# Altium PCB BeagleBone_Black_RevB4.PcbDoc (part 1 of 5) (continued)
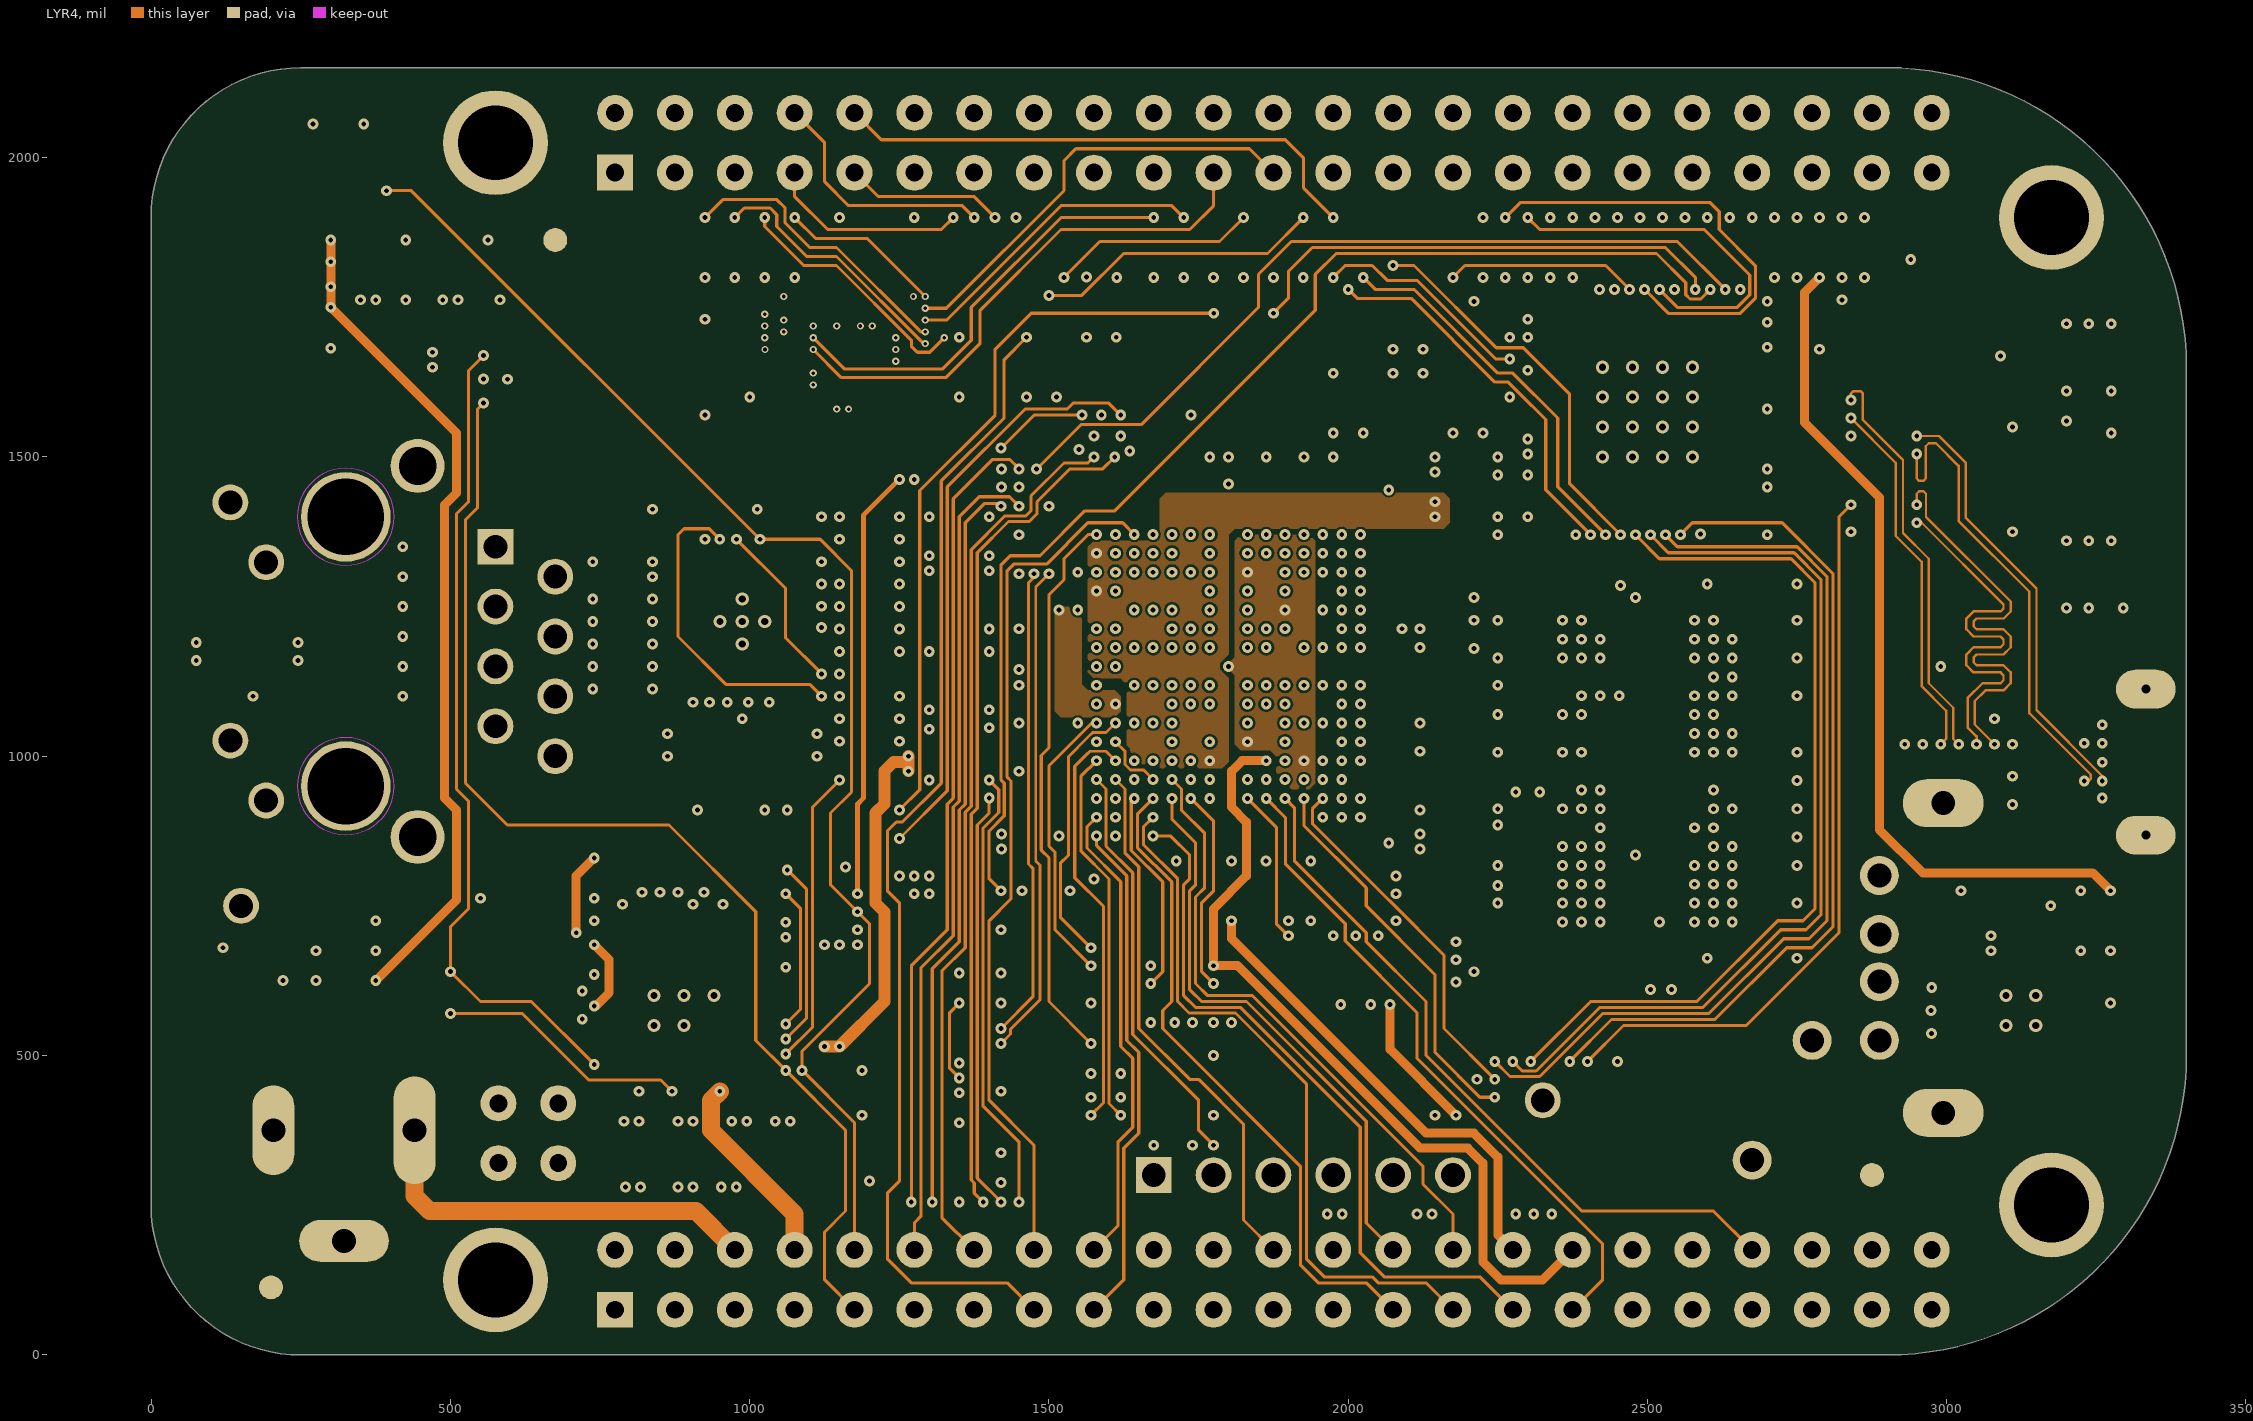
[diagram p4: LYR4]
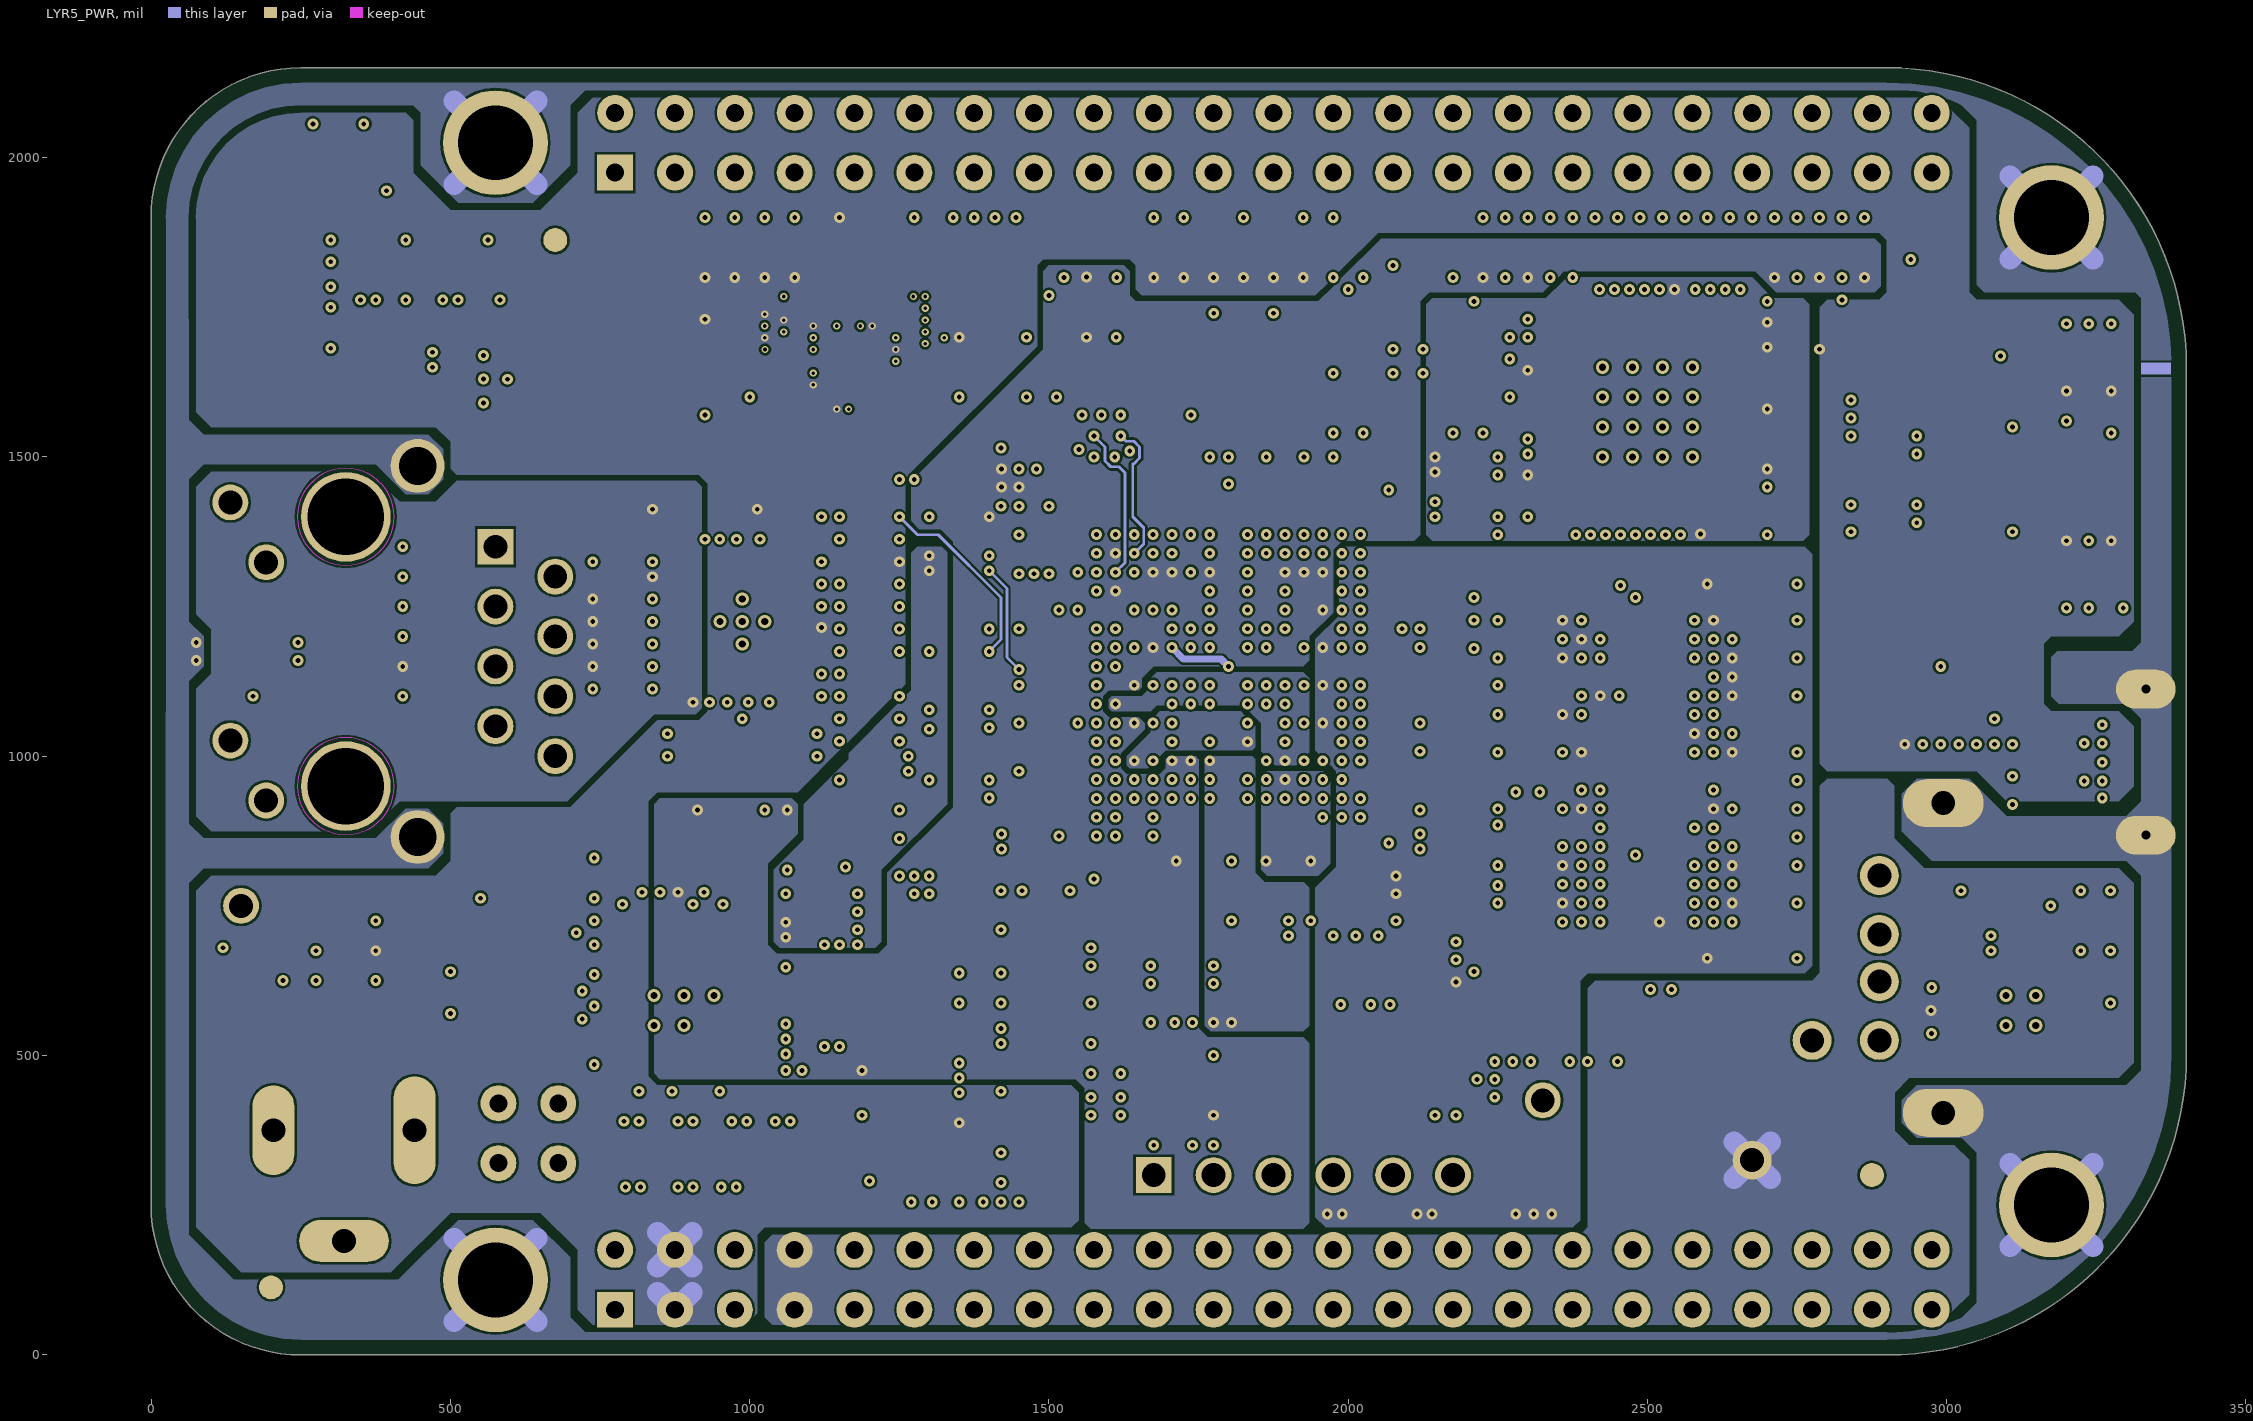
[diagram p5: LYR5_PWR]

## Layer stack, top to bottom
TOP: signal copper 2.4
Dielectric: core 3.6, FR-4, Dk 4.05
LYR2_GND: signal copper 1.2
Dielectric: core 4.6, FR-4, Dk 4.5
LYR3: signal copper 1.2
Dielectric: core 36, FR-4, Dk 4.5
LYR4: signal copper 1.2
Dielectric: core 4.6, FR-4, Dk 4.5
LYR5_PWR: signal copper 1.2
Dielectric: core 3.6, FR-4, Dk 4.05
BOTTOM: signal copper 2.4

## Board outline
-0.5,250 ccw(c250,250) 250,-0.5 2900,-0.5 ccw(c2900,500) 3400.5,500 3400.5,1650 ccw(c2900,1650) 2900,2150.5 250,2150.5 ccw(c250,1900) -0.5,1900

## Design rules (kind name [scope] priority, off if disabled: settings)
Clearance [All] p1: gap=4
PlaneConnect [All] p1: planeconnectstyle=Direct reliefexpansion=20 reliefentries=4 reliefconductorwidth=10 reliefairgap=10
PolygonConnect [All] p1: connectstyle=Direct reliefconductorwidth=10 reliefentries=4 polygonreliefangle="90 Angle" airgapwidth=10
RoomDefinition CompsKeepOut3 [All vs False] p1: confinementstyle=ConfineOut formatcopy=TRUE lockcomponents=FALSE outline 725.46,2025 723.61,2048.54 718.1,2071.5 709.06,2093.31 696.73,2113.44 681.39,2131.39 663.44,2146.73 643.31,2159.06 621.5,2168.1 598.54,2173.61 575,2175.46 551.46,2173.61 528.5,2168.1 506.69,2159.06 486.56,2146.73 468.61,2131.39 453.27,2113.44 440.94,2093.31 431.9,2071.5 426.39,2048.54 424.54,2025 426.39,2001.46 431.9,1978.5 440.94,1956.69 453.27,1936.56 468.61,1918.61 486.56,1903.27 506.69,1890.94 528.5,1881.9 551.46,1876.39 575,1874.54 598.54,1876.39 621.5,1881.9 643.31,1890.94 663.44,1903.27 681.39,1918.61 696.73,1936.56 709.06,1956.69 718.1,1978.5 723.61,2001.46 725.46,2025
RoomDefinition CompsKeepOut2 [All vs False] p2: confinementstyle=ConfineOut formatcopy=TRUE lockcomponents=FALSE outline 3325,1900 3324.43,1913.07 3322.72,1926.05 3319.89,1938.82 3315.95,1951.3 3310.95,1963.39 3304.9,1975 3297.87,1986.04 3289.91,1996.42 3281.07,2006.07 3271.42,2014.91 3261.04,2022.87 3250,2029.9 3238.39,2035.95 3226.3,2040.95 3213.82,2044.89 3201.05,2047.72 3188.07,2049.43 3175,2050 3161.93,2049.43 3148.95,2047.72 3136.18,2044.89 3123.7,2040.95 3111.61,2035.95 3100,2029.9 3088.96,2022.87 3078.58,2014.91 3068.93,2006.07 3060.09,1996.42 3052.13,1986.04 3045.1,1975 3039.05,1963.39 3034.05,1951.3 3030.11,1938.82 3027.28,1926.05 3025.57,1913.07 3025,1900 3025.57,1886.93 3025.85,1884 3034,1884 3034,1848.82 3039,1836.73 3045.03,1825.11 3052.05,1814.07 3060.01,1803.68 3068.84,1794.03 3078.48,1785.18 3088.86,1777.2 3099.89,1770.16 3111.49,1764.11 3123.57,1759.09 3136.05,1755.15 3148.82,1752.3 3161.8,1750.58 3174.87,1750 3187.94,1750.56 3200.92,1752.26 3213.7,1755.08 3226.18,1759 3238.27,1764 3249.89,1770.03 3260.93,1777.05 3271.32,1785.01 3280.97,1793.84 3289.82,1803.48 3297.8,1813.86 3304.84,1824.89 3310.89,1836.49 3315.91,1848.57 3319.85,1861.05 3322.7,1873.82 3324.42,1886.8 3325,1899.87 3325,1900
RoomDefinition CompsKeepOut1 [All vs False] p3: confinementstyle=ConfineOut formatcopy=TRUE lockcomponents=FALSE outline 3325,250 3324.43,263.07 3322.72,276.05 3319.89,288.82 3315.95,301.3 3310.95,313.39 3304.9,325 3297.87,336.04 3289.91,346.42 3281.07,356.07 3271.42,364.91 3261.04,372.87 3250,379.9 3238.39,385.95 3234.67,387.62 3115.33,387.62 3103.56,381.9 3092.34,375.17 3081.74,367.49 3071.86,358.91 3062.76,349.51 3054.51,339.35 3047.18,328.51 3040.83,317.07 3035.49,305.12 3034.15,301.6 3034.15,241.25 3034.15,241.01 3033.79,240.65 3033.61,240.65 3033.6,240.64 3033.54,240.64 3031.78,238.88 3025.41,238.88 3026.95,225.89 3029.62,213.07 3033.39,200.54 3038.24,188.39 3044.13,176.7 3051.02,165.58 3058.85,155.09 3067.56,145.33 3077.1,136.37 3087.37,128.27 3098.32,121.09 3109.85,114.9 3121.87,109.73 3134.3,105.64 3147.03,102.64 3159.99,100.76 3173.05,100.02 3186.13,100.42 3199.12,101.96 3211.94,104.63 3224.47,108.4 3236.62,113.25 3248.31,119.14 3259.43,126.03 3269.92,133.86 3279.68,142.57 3288.64,152.11 3296.74,162.38 3303.92,173.33 3310.11,184.86 3315.28,196.88 3319.37,209.31 3322.37,222.04 3324.25,235 3324.99,248.06 3325,250
RoomDefinition CompsKeepOut0 [All vs False] p4: confinementstyle=ConfineOut formatcopy=TRUE lockcomponents=FALSE outline 725,125 724.43,138.07 722.72,151.05 719.89,163.82 715.95,176.3 710.95,188.39 704.9,200 697.87,211.04 689.91,221.42 681.07,231.07 671.42,239.91 661.04,247.87 650,254.9 638.39,260.95 626.3,265.95 613.82,269.89 601.05,272.72 588.07,274.43 575,275 561.93,274.43 548.95,272.72 536.18,269.89 523.7,265.95 511.61,260.95 500,254.9 488.96,247.87 485.03,245.02 485.03,194.57 475.08,184.62 437.36,184.62 432.69,172.4 429.1,159.81 426.62,146.97 425.27,133.95 425.06,120.86 425.99,107.81 428.05,94.89 431.24,82.2 435.51,69.83 440.85,57.88 447.21,46.45 454.55,35.61 462.8,25.45 471.9,16.05 481.79,7.48 492.38,-0.2 503.61,-6.92 515.38,-12.64 527.6,-17.31 540.19,-20.9 553.03,-23.38 566.05,-24.73 579.14,-24.94 592.19,-24.01 605.11,-21.95 617.8,-18.76 630.17,-14.49 642.12,-9.15 653.55,-2.79 664.39,4.55 674.55,12.8 683.95,21.9 692.52,31.79 700.2,42.38 706.92,53.61 712.64,65.38 717.31,77.6 720.9,90.19 723.38,103.03 724.73,116.05 725,125
RoutingVias [All] p1: holewidth=28 width=50 viastyle="Through Hole" minholewidth=28 minwidth=50 maxholewidth=28 maxwidth=50
SolderMaskExpansion [All] p1: expansion=4
Width [All] p1: maxlimit=10 minlimit=10 preferedwidth=10 impedancedriven=TRUE minimp=0.000000 maximp=0.000000 favimp=0.000000
27 further rules are at their usual default settings.

## Classes and differential pairs
net class DDR_BA[2..0]: DDR_BA0 DDR_BA1 DDR_BA2
net class DDR_A[15..0]: DDR_A0 DDR_A1 DDR_A2 DDR_A3 DDR_A4 DDR_A5 DDR_A6 DDR_A7 DDR_A8 DDR_A9 DDR_A10 DDR_A11 DDR_A12 DDR_A13 DDR_A14 DDR_A15
component class "P11_Exp Conn, uSD, and ": C152 C153 C154 P8 P9 P10 R150 R151 R152 R153 R154 R155 R156 R157 TP4 U7
component class "P10_HDMI Framer": C144 C145 C146 C147 C148 C149 C150 C151 C156 C157 C160 C161 C162 C163 C164 C165 C166 C167 C168 C169 C170 C171 C172 C173 D6 D7 D8 FB5 P6 R146 R147 R148 R149 R158 R166 RT1 U11
component class P09_Ethernet: C131 C132 C133 C134 C135 C136 C137 C138 C139 C140 C141 C142 C143 FB4 P5 R112 R113 R114 R115 R116 R117 R118 R119 R120 R121 R122 R123 R124 R125 R126 R127 R128 R129 R130 R131 R132 R133 R134 R135 R136 R137 R138 R139 R140 R141 R142 R143 R144 R145 U14 Y3
component class P08_eMMC: C125 C126 C127 C128 C129 C130 R101 R102 R103 R104 R105 R106 R107 R108 R109 R110 R111 U13
component class "P07_DDR3 Memory": C107 C108 C109 C110 C111 C112 C113 C114 C115 C116 C117 C118 C119 C120 C121 C122 C123 C124 R96 R97 R98 R99 R100 U12
component class "P06_LED, Config, & Button": D2 D3 D4 D5 Q1 Q2 R55 R56 R57 R58 R59 R60 R61 R62 R63 R64 R65 R66 R67 R68 R69 R70 R71 R72 R73 R74 R75 R76 R77 R78 R79 R80 R81 R82 R83 R84 R85 R86 R87 R88 R89 R90 R91 R92 R93 R94 R95 S2
component class "P05_Processor Page 3 of 3": C37 C38 C39 C40 C41 C42 C43 C44 C45 C46 C47 C48 C49 C50 C51 C52 C53 C54 C55 C56 C57 C58 C59 C60 C61 C62 C63 C64 C65 C66 C67 C68 C69 C70 C71 C72 C73 C74 C75 C76 C77 C78 C79 C80 C81 C82 C83 C84 C85 C86 C87 C88 C89 C90 C91 C92 C93 C94 C95 C96 C97 C98 C99 C100 C101 C102 C103 C104 C105 C106 FB1 FB2 FB3 R54 TP2 TP3
component class "P04_Processor 2 or 3, USB and Serial": C31 C32 C33 C34 C35 C36 C155 FB7 FB8 J1 P3 P4 R26 R27 R28 R45 R46 R47 R48 R49 R50 R51 R52 R53 R159 R163 R164 R165 U8 U9 U10 U15
component class "P03_Processor 1 of 3, JTAG Header": C21 C22 C24 C25 C26 C27 C28 C29 C30 C158 C159 P2 R14 R17 R18 R19 R20 R21 R22 R23 R24 R25 R160 R161 R162 R167 S1 U3 U5 U6 Y1 Y2 Y4
component class "P02_Power Management": C1 C2 C3 C4 C7 C8 C9 C10 C11 C12 C13 C14 C15 C16 C17 C18 C19 C20 D1 L1 L2 L3 MTG1 MTG2 MTG3 MTG4 P1 R1 R3 R4 R5 R6 R7 R8 R9 R10 R11 R12 S3 TP1 TP5 TP6 TP7 TP8 U2 U4
net class DDR_D[15..0]: DDR_D0 DDR_D1 DDR_D2 DDR_D3 DDR_D4 DDR_D5 DDR_D6 DDR_D7 DDR_D8 DDR_D9 DDR_D10 DDR_D11 DDR_D12 DDR_D13 DDR_D14 DDR_D15

## Components (designator, comment, footprint, x,y, rotation, side; value= is the part's Value field where it differs from the comment)
C1 "10uF, 10V" 805 550,675 r270 top
C2 "10uF, 10V" 805 325,490 r0 bottom
C3 "0.1uf, 6V3" 402 637.5,762.5 r0 top
C4 "10uF, 10V" 805 787.5,675 r90 bottom
C7 "10uF, 10V" 805 937.5,525 r270 bottom
C8 "10uF, 10V" 805 1012.5,525 r270 bottom
C9 "10uF, 10V" 805 847.5,337.5 r180 top
C10 "10uF, 10V" 805 787.5,525 r90 bottom
C11 "10uF, 10V" 805 1137.5,600 r270 top
C12 "10uF, 10V" 805 1007.5,337.5 r0 top
C13 "10uF, 10V" 805 937.5,675 r90 bottom
C14 "10uF, 10V" 805 1012.5,675 r90 bottom
C15 "10uF, 10V" 805 862.5,675 r90 bottom
C16 "2.2uF, 6V3" 402 637.5,687.5 r180 top
C17 "2.2uF, 6V3" 402 325,625 r180 bottom
C18 "2.2uF, 6V3" 402 637.5,725 r180 top
C19 "470pF, 50V" 402 325,725 r180 top
C20 "0.1uf, 6V3" 402 325,675 r180 bottom
C21 "18pF, 50V" 402 1987.5,637.5 r90 bottom
C22 "18pF, 50V" 402 2037.5,637.5 r90 bottom
C24 "1uF, 10V" 402 1137.5,437.5 r0 bottom
C25 "18pF, 50V" 402 1865,1535 r0 bottom
C26 "18pF, 50V" 402 1695,1535 r180 bottom
C27 "0.1uf, 6V3" 402 1775,450 r90 top
C28 "0.1uf, 6V3" 402 2200,1069.5 r0 bottom
C29 "0.1uf, 6V3" 402 1350,337.5 r270 top
C30 "0.1uf, 6V3" 402 1137.5,400 r0 bottom
C31 "0.1uf, 6V3" 402 1700,700 r270 top
C32 "1nF, 50V" 402 1662.5,700 r270 top
C33 "0.1uf, 6V3" 402 1737.5,700 r270 top
C34 "100uF, 6V3" RD205SMD_250D 2525,425 r90 top
C35 "0.1uf, 6V3" 402 3223.9,725 r90 bottom
C36 "0.1uf, 6V3" 402 512.5,1650 r270 bottom
C37 "0.1uf, 6V3" 402 1100,862.5 r270 top
C38 "0.1uf, 6V3" 402 1350,1362.5 r180 bottom
C39 "10uF, 10V" 805 1350,1005 r0 bottom
C40 "10uF, 10V" 805 1350,1120 r0 bottom
C41 "0.1uf, 6V3" 402 1658.25,1276 r180 bottom
C42 "0.1uf, 6V3" 402 1800,1275.76 r270 bottom
C43 "0.1uf, 6V3" 402 1863,1260.25 r90 bottom
C44 "0.1uf, 6V3" 402 1500.75,1016.13 r180 bottom
C45 "0.1uf, 6V3" 402 1500.75,1173.63 r180 bottom
C46 "0.1uf, 6V3" 402 1737.7,1150 r0 bottom
C47 "0.1uf, 6V3" 402 1800,1197.25 r270 bottom
C48 "0.1uf, 6V3" 402 1863,1150 r0 bottom
C49 "0.1uf, 6V3" 402 1800,1102.75 r90 bottom
C50 "0.1uf, 6V3" 402 1863,1039.75 r90 bottom
C51 "0.1uf, 6V3" 402 1350,1175 r180 bottom
C52 "0.1uf, 6V3" 402 1350,1062.5 r180 bottom
C53 "0.1uf, 6V3" 402 1350,950 r180 bottom
C54 "0.1uf, 6V3" 402 1500.75,1055.5 r180 bottom
C55 "10uF, 10V" 805 1225,600 r270 top
C56 "0.1uf, 6V3" 402 1800,1354.75 r270 bottom
C57 "0.1uf, 6V3" 402 2225,1850 r270 top
C58 "0.1uf, 6V3" 402 1674,1449.25 r90 bottom
C59 "0.1uf, 6V3" 402 1712.5,775 r270 bottom
C60 "0.1uf, 6V3" 402 1658.25,1087 r180 bottom
C61 "0.1uf, 6V3" 402 2862.5,1850 r270 top
C62 "10uF, 10V" 805 1350,850 r0 bottom
C63 "0.1uf, 6V3" 402 1737,1039.75 r90 bottom
C64 "0.1uf, 6V3" 402 1350,787.5 r180 bottom
C65 "0.1uf, 6V3" 402 1658.25,1150 r180 bottom
C66 "0.1uf, 6V3" 402 1658.25,1213 r180 bottom
C67 "0.1uf, 6V3" 402 1350,1400 r180 bottom
C68 "0.1uf, 6V3" 402 1926,1449.25 r270 bottom
C69 "0.1uf, 6V3" 402 1500.75,1134.25 r0 bottom
C70 "0.1uf, 6V3" 402 1658.25,1024 r180 bottom
C71 "0.1uf, 6V3" 402 1500,1450 r180 bottom
C72 "0.1uf, 6V3" 402 1800,1023.98 r270 bottom
C73 "0.1uf, 6V3" 402 1941.75,1276 r0 bottom
C74 "0.1uf, 6V3" 402 1989,1449.25 r270 bottom
C75 "0.1uf, 6V3" 402 2225,1850 r270 bottom
C76 "0.1uf, 6V3" 402 2862.5,1850 r270 bottom
C77 "10uF, 10V" 805 1350,1462.5 r180 bottom
C78 "0.1uf, 6V3" 402 1350,1325 r0 bottom
C79 "0.1uf, 6V3" 402 1500.75,1094.88 r180 bottom
C80 "0.1uf, 6V3" 402 1626.77,1449.25 r90 bottom
C81 "0.1uf, 6V3" 402 1863,1449.25 r90 bottom
C82 "0.1uf, 6V3" 402 1500.75,975 r180 bottom
C83 "0.1uf, 6V3" 402 1500.75,937.38 r180 bottom
C84 "0.1uf, 6V3" 402 1500.75,1276 r180 bottom
C85 "0.1uf, 6V3" 402 1500.75,900 r180 bottom
C86 "0.1uf, 6V3" 402 1500.75,1387.5 r180 bottom
C87 "0.1uf, 6V3" 402 1500.75,1213 r180 bottom
C88 "0.1uf, 6V3" 402 1800,945.25 r270 bottom
C89 "1uF, 10V" 402 1825,775 r270 bottom
C90 "1uF, 10V" 402 1750,775 r270 bottom
C91 "1uF, 10V" 402 1787.5,775 r270 bottom
C92 "0.1uf, 6V3" 402 1900,775 r270 bottom
C93 "0.1uf, 6V3" 402 1775,700 r270 top
C94 "0.1uf, 6V3" 402 1737,1260.25 r270 bottom
C95 "10uF, 10V" 805 2125,750 r90 bottom
C96 "10uF, 10V" 805 2180,540 r90 top
C97 "0.1uf, 6V3" 402 1941.75,1213 r180 bottom
C98 "0.1uf, 6V3" 402 1941.72,1150 r180 bottom
C99 "0.1uf, 6V3" 402 1941.75,1087 r180 bottom
C100 "0.1uf, 6V3" 402 1941.75,1024 r180 bottom
C101 "0.1uf, 6V3" 402 2050,775 r270 bottom
C102 "0.1uf, 6V3" 402 2100,637.5 r90 bottom
C103 "0.1uf, 6V3" 402 2150,637.5 r90 bottom
C104 "1uF, 10V" 402 1937.5,775 r270 bottom
C105 "0.1uf, 6V3" 402 1862.5,775 r270 bottom
C106 "0.1uf, 6V3" 402 1721.26,1449.25 r90 bottom
C107 "0.1uf, 6V3" 402 2300,1227 r180 bottom
C108 "0.1uf, 6V3" 402 2300,1164 r180 bottom
C109 "0.1uf, 6V3" 402 2300,1069.5 r180 bottom
C110 "0.1uf, 6V3" 402 2300,1006.5 r180 bottom
C111 "0.1uf, 6V3" 402 2300,912 r180 bottom
C112 "0.1uf, 6V3" 402 2300,817.5 r180 bottom
C113 "0.1uf, 6V3" 402 2300,754.5 r180 bottom
C114 "0.1uf, 6V3" 402 2700,1227 r0 bottom
C115 "0.1uf, 6V3" 402 2700,1164 r0 bottom
C116 "0.1uf, 6V3" 402 2700,1101 r0 bottom
C117 "0.1uf, 6V3" 402 2700,1006.5 r0 bottom
C118 "10uF, 10V" 805 2675,1287.5 r180 bottom
C119 "0.1uf, 6V3" 402 2700,959.25 r0 bottom
C120 "0.1uf, 6V3" 402 2700,817.5 r0 bottom
C121 "0.1uf, 6V3" 402 2700,754.5 r0 bottom
C122 "10uF, 10V" 805 2675,662.5 r180 bottom
C123 "1nF, 50V" 402 2500,959.25 r0 bottom
C124 "0.1uf, 6V3" 402 2500,864.75 r180 bottom
C125 "2.2uF, 6V3" 402 1275,1850 r90 bottom
C126 "10uF, 10V" 805 925,1650 r90 bottom
C127 "0.1uf, 6V3" 402 1000,1650 r270 bottom
C128 "0.1uf, 6V3" 402 1150,1650 r90 bottom
C129 "0.1uf, 6V3" 402 1200,1650 r270 bottom
C130 "0.1uf, 6V3" 402 1350,1650 r270 bottom
C131 "0.1uf, 6V3" 402 925,1125 r0 bottom
C132 "0.1uf, 6V3" 402 925,1175 r0 bottom
C133 "10uF, 10V" 805 925,1312.5 r180 bottom
C134 "1uF, 10V" 402 1050,1125 r180 bottom
C135 "0.1uf, 6V3" 402 1050,1325 r0 bottom
C136 "470pF, 50V" 402 1050,1175 r180 bottom
C137 "15pF, DNI" 402 475,1350 r180 bottom
C138 "15pF, DNI" 402 475,1300 r180 bottom
C139 "15pF, DNI" 402 475,1250 r180 bottom
C140 "15pF, DNI" 402 475,1100 r180 bottom
C141 "0.022uF,10V" 402 475,1200 r180 bottom
C142 "30pF, 50V" 402 912.5,1012.5 r90 bottom
C143 "30pF, 50V" 402 1062.5,1012.5 r90 bottom
C144 "2.2uF, 6V3" 402 2325,1600 r270 bottom
C145 "0.1uf, 6V3" 402 2325,1425 r270 bottom
C146 "2.2uF, 6V3" 402 2525,1725 r270 bottom
C147 "0.1uf, 6V3" 402 2575,1425 r90 bottom
C148 "2.2uF, 6V3" 402 2575,1725 r270 bottom
C149 "0.1uf, 6V3" 402 2675,1725 r90 bottom
C150 "0.1uf, 6V3" 402 2675,1600 r90 bottom
C151 "2.2uF, 6V3" 402 2625,1425 r270 bottom
C152 "0.1uf, 6V3" 402 1025,862.5 r90 bottom
C153 "10uF, 10V" 805 3200,1485 r90 top
C154 "0.1uf, 6V3" 402 3275,1485 r90 top
C155 "0.1uf, 6V3" 402 2180,450 r270 bottom
C156 "47pF, 6.3V" 402 2175,1730 r90 top
C157 "47pF, 6.3V" 402 2125,1590 r90 top
C158 "0.1uf, 6V3" 402 1562.5,1850 r90 bottom
C159 "0.1uf, 6V3" 402 1562.5,1650 r270 bottom
C160 "47pF, 6.3V" 402 2175,1590 r270 top
C161 "47pF, 6.3V" 402 2025,1590 r90 bottom
C162 "47pF, 6.3V" 402 2075,1590 r90 bottom
C163 "47pF, 6.3V" 402 2225,1590 r90 top
C164 "47pF, 6.3V" 402 1975,1590 r90 bottom
C165 "47pF, 6.3V" 402 2175,1850 r270 top
C166 "47pF, 6.3V" 402 2075,1590 r90 top
C167 "47pF, 6.3V" 402 2125,1730 r270 top
C168 "47pF, 6.3V" 402 2075,1730 r90 top
C169 "47pF, 6.3V" 402 2225,1470 r270 top
C170 "47pF, 6.3V" 402 2125,1590 r90 bottom
C171 "47pF, 6.3V" 402 2975,1850 r270 bottom
C172 "47pF, 6.3V" 402 2175,1590 r90 bottom
C173 "47pF, 6.3V" 402 2975,1850 r270 top
D1 "598-8170-107F" LED_0603 150,625 r0 top
D2 "598-8170-107F" LED_0603 125,1862.5 r0 top
D3 "598-8170-107F" LED_0603 125,1787.5 r0 top
D4 "598-8170-107F" LED_0603 125,1712.5 r0 top
D5 "598-8170-107F" LED_0603 125,1637.5 r0 top
D6 "IP4283CZ10-TT" TSSOP10 2975,1375 r270 top
D7 "IP4283CZ10-TT" TSSOP10 2975,1550 r270 top
D8 "RB751V40,115" SOD323 2875,1175 r90 top
FB1 "150OHM800mA" SM-7351-IND-0805 1350,1262.5 r180 bottom
FB2 "150OHM800mA" SM-7351-IND-0805 1825,637.5 r90 bottom
FB3 "150OHM800mA" SM-7351-IND-0805 1725,637.5 r90 bottom
FB4 "150OHM800mA" SM-7351-IND-0805 925,1412.5 r0 bottom
FB5 "150OHM800mA" SM-7351-IND-0805 2200,1450 r90 bottom
FB7 "150OHM800mA" SM-7351-IND-0805 2675,440 r180 bottom
FB8 "0.1 Ohm, 0805" SM-7351-IND-0805 2520,440 r180 bottom
J1 "HEADER 6" SIP6 1925,300 r90 top
L1 "2.2uH, 2.6A" 2520 847.5,337.5 r0 bottom
L2 "2.2uH, 2.6A" 2520 1010,337.5 r180 bottom
L3 "2.2uH, 2.6A" 2520 1137.5,600 r90 bottom
MTG1 "MHOLE" MTGH200C125D_PL 575,140.5 r90 top
MTG2 "MHOLE" MTGH200C125D_PL 3175,265.5 r90 top
MTG3 "MHOLE" MTGH200C125D_PL 575,2040.5 r90 top
MTG4 "MHOLE" MTGH200C125D_PL 3175,1915.5 r90 top
P1 "PJ-200A" CONN3-PWR-PJ102A 195,375 r180 top
P2 "CTI JTAG,DNI" HEADER10X2_SMD 1387.5,512.5 r270 bottom
P3 "USB-A Conn. - 87520-xx1xx" USB_A_SH 3123.2,662.1 r90 top
P4 "mini USB-B" USB5MINI_4SHIELDED_SMD-5 121.89,1737.5 r180 bottom
P5 "WE_7499010211A" RJ45-7499010211A 322.5,1175 r270 top
P6 "10118241-001RLF" CONN19_HDMI 3273.62,990 r90 bottom
P8 "FEMALE HEADER 2x23" HEADER23X2 1875,2025 r0 top
P9 "FEMALE HEADER 2x23" HEADER23X2 1875,125 r0 top
P10 "MOLEX 502570-001" SD-MICRO-SCHA5B0300 3082.41,1485 r90 bottom
Q1 "DMC56404" SMINI6-F3-B 512.5,1825 r180 top
Q2 "DMC56404" SMINI6-F3-B 375,1825 r180 top
R1 "100K, 1%" 402 912.5,862.5 r270 bottom
R3 "1.5K, 1%" 402 1025,862.5 r270 top
R4 "1.5K, 1%" 402 1062.5,862.5 r270 top
R5 "0R, 1%" 402 637.5,625 r180 top
R6 "0R, 1%" 402 740,340 r270 bottom
R7 "0R, 1%" 402 450,625 r180 top
R8 "0R, 1%" 402 450,675 r180 top
R9 "0R, 1%, DNI" 402 450,725 r0 top
R10 "470K, 5%" 402 325,675 r180 top
R11 "280K, 1%" 402 325,725 r0 bottom
R12 "820, 5%" 402 150,650 r180 bottom
R14 "10K, 1%" 402 1137.5,475 r180 bottom
R17 "1M, 1%" 402 1779.96,1535 r180 bottom
R18 "33, 0402" 402 1650,450 r270 bottom
R19 "0R, 1%" 402 1637.5,775 r270 bottom
R20 "0R, 1%" 402 1675,775 r90 bottom
R21 "33, 0402" 402 1900,450 r270 bottom
R22 "49.9, 1%" 402 2200,1118.5 r180 bottom